# KiCad board rgbwstrip120_250_panel.kicad_pcb (continued)
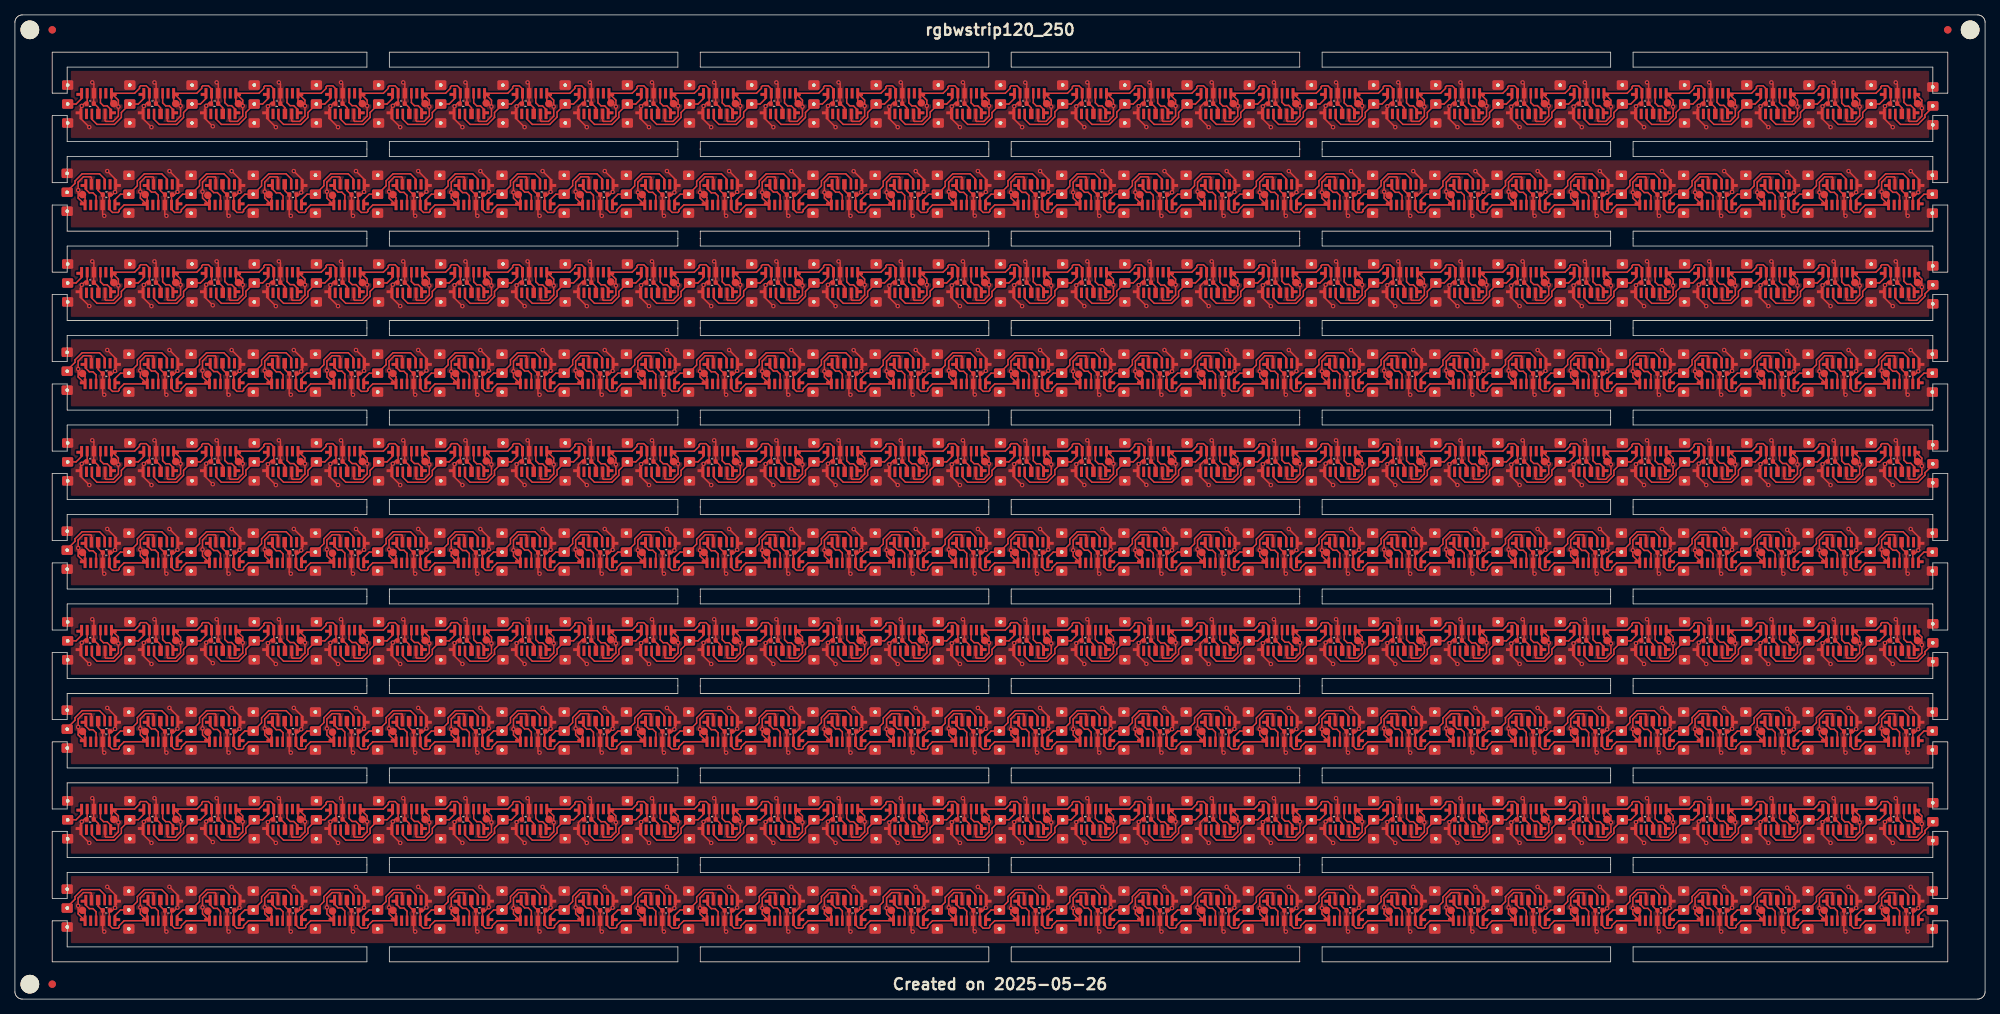
[diagram p0: board, top side]
## Routing (per net, layer and track width the routed paths; a pad name or vN(x,y) marks a point on that pad's centre or on a via; arc(x,y) is an arc through that point) (continued)
Board_7-Net-(J1-Pin_2): length 2.8
  Top w0.2: 256.84,35.95 255.81,35.95 255.07,35.21 U2#3.6
Board_7-Net-(J2-Pin_2): length 10.4
  Top w0.2: 248.5,35.95 247.47,35.95 246.73,35.21 U4#10.6 ; 253.69,37.28 253.69,38 253.01,38.68 250.67,38.68 249.74,37.75 249.74,37.09 J2#8.2
Board_7-Net-(J3-Pin_2): length 10.4
  Top w0.2: 240.17,35.95 239.14,35.95 238.4,35.21 U6#2.6 ; J3#8.2 241.4,37.09 241.4,37.75 242.34,38.68 244.67,38.68 245.35,38 245.35,37.28
Board_7-Net-(J4-Pin_2): length 10.4
  Top w0.2: J4#7.2 233.05,37.07 233.05,37.73 234,38.68 236.34,38.68 237.02,38 237.02,37.28 ; 231.84,35.95 230.81,35.95 230.07,35.21 U8#4.6
Board_7-Net-(J5-Pin_2): length 10.4
  Top w0.2: 223.5,35.95 222.47,35.95 221.73,35.21 U10#5.6 ; 228.69,37.28 228.69,38 228.01,38.68 225.67,38.68 224.74,37.75 224.74,37.09 J5#9.2
Board_7-Net-(J6-Pin_2): length 10.4
  Top w0.2: J6#2.2 216.4,37.09 216.4,37.75 217.34,38.68 219.67,38.68 220.35,38 220.35,37.28 ; U12#2.6 213.4,35.21 214.14,35.95 215.17,35.95
Board_7-Net-(J7-Pin_2): length 10.4
  Top w0.2: J7.2 208.07,37.09 208.07,37.75 209,38.68 211.34,38.68 212.02,38 212.02,37.28 ; 206.84,35.95 205.81,35.95 205.07,35.21 U14#4.6
Board_7-Net-(J8-Pin_2): length 10.4
  Top w0.2: J8#7.2 199.74,37.09 199.74,37.58 199.73,37.74 199.74,37.74 199.74,37.75 200.67,38.68 203.01,38.68 203.69,38 203.69,37.28 ; 198.5,35.95 197.47,35.95 196.73,35.21 U16#7.6
Board_7-Net-(J9-Pin_2): length 10.4
  Top w0.2: 190.17,35.95 189.14,35.95 188.4,35.21 U18#2.6 ; J9#5.2 191.35,37.03 191.35,37.7 192.34,38.68 194.67,38.68 195.35,38 195.35,37.28
Board_7-Net-(J10-Pin_2): length 10.4
  Top w0.2: 187.02,37.28 187.02,38 186.34,38.68 184,38.68 183.07,37.75 183.07,37.09 J10#7.2 ; U20#8.6 180.07,35.21 180.81,35.95 181.84,35.95
Board_7-Net-(J11-Pin_2): length 10.4
  Top w0.2: 173.5,35.95 172.47,35.95 171.73,35.21 U22#8.6 ; J11#8.2 174.74,37.09 174.74,37.75 175.67,38.68 178.01,38.68 178.69,38 178.69,37.28
Board_7-Net-(J12-Pin_2): length 10.4
  Top w0.2: J12#10.2 166.35,37.03 166.35,37.7 167.34,38.68 169.67,38.68 170.35,38 170.35,37.28 ; U24#10.6 163.4,35.21 164.14,35.95 165.17,35.95
Board_7-Net-(J13-Pin_2): length 10.4
  Top w0.2: U26#8.6 155.07,35.21 155.81,35.95 156.84,35.95 ; 162.02,37.28 162.02,38 161.34,38.68 159,38.68 158.07,37.75 158.07,37.09 J13#3.2
Board_7-Net-(J14-Pin_2): length 10.4
  Top w0.2: 148.5,35.95 147.47,35.95 146.73,35.21 U28#6.6 ; J14#3.2 149.74,37.09 149.74,37.75 150.67,38.68 150.67,38.68 153.01,38.68 153.69,38 153.69,37.28
Board_7-Net-(J15-Pin_2): length 10.4
  Top w0.2: 140.17,35.95 139.14,35.95 138.4,35.21 U30.6 ; 145.35,37.28 145.35,38 144.67,38.68 142.34,38.68 141.35,37.7 141.35,37.03 J15#7.2
Board_7-Net-(J16-Pin_2): length 10.4
  Top w0.2: U32#8.6 130.07,35.21 130.81,35.95 131.84,35.95 ; J16#6.2 133.07,37.09 133.07,37.75 134,38.68 136.34,38.68 137.02,38 137.02,37.28
Board_7-Net-(J17-Pin_2): length 10.4
  Top w0.2: 128.69,37.28 128.69,38 128.01,38.68 125.67,38.68 124.65,37.67 124.65,37 J17#7.2 ; 123.5,35.95 122.47,35.95 121.73,35.21 U34#8.6
Board_7-Net-(J18-Pin_2): length 10.4
  Top w0.2: J18#8.2 116.35,37.03 116.35,37.7 117.34,38.68 119.67,38.68 120.35,38 120.35,37.28 ; 115.17,35.95 114.14,35.95 113.4,35.21 U36#7.6
Board_7-Net-(J19-Pin_2): length 10.4
  Top w0.2: 106.84,35.95 105.81,35.95 105.07,35.21 U38#5.6 ; 112.02,37.28 112.02,38 111.34,38.68 109,38.68 108.07,37.75 108.07,37.09 J19#6.2
Board_7-Net-(J20-Pin_2): length 10.4
  Top w0.2: J20#10.2 99.74,37.09 99.74,37.75 100.67,38.68 103.01,38.68 103.69,38 103.69,37.28 ; U40#4.6 96.73,35.21 97.47,35.95 98.5,35.95
Board_7-Net-(J21-Pin_2): length 10.4
  Top w0.2: 95.35,37.28 95.35,38 94.67,38.68 92.34,38.68 91.35,37.7 91.35,37.03 J21#9.2 ; 90.17,35.95 89.14,35.95 88.4,35.21 U42#5.6
Board_7-Net-(J22-Pin_2): length 10.4
  Top w0.2: J22#6.2 83.05,37.07 83.05,37.73 84,38.68 86.34,38.68 87.02,38 87.02,37.28 ; 81.84,35.95 80.81,35.95 80.07,35.21 U44#8.6
Board_7-Net-(J23-Pin_2): length 10.4
  Top w0.2: U46#10.6 71.73,35.21 72.47,35.95 73.5,35.95 ; 78.69,37.28 78.69,38 78.01,38.68 75.67,38.68 74.74,37.75 74.74,37.09 J23#4.2
Board_7-Net-(J24-Pin_2): length 10.4
  Top w0.2: J24#5.2 66.4,37.09 66.4,37.75 67.34,38.68 69.67,38.68 70.35,38 70.35,37.28 ; 65.17,35.95 64.14,35.95 63.4,35.21 U48#4.6
Board_7-Net-(J25-Pin_2): length 10.4
  Top w0.2: J25#8.2 58.05,37.07 58.05,37.73 59,38.68 61.34,38.68 62.02,38 62.02,37.28 ; 56.84,35.95 55.81,35.95 55.07,35.21 U50#6.6
Board_7-Net-(J26-Pin_2): length 10.4
  Top w0.2: J26.2 49.74,37.09 49.74,37.75 50.67,38.68 53.01,38.68 53.69,38 53.69,37.28 ; 48.5,35.95 47.47,35.95 46.73,35.21 U52.6
Board_7-Net-(J27-Pin_2): length 10.4
  Top w0.2: J27#3.2 41.4,37.09 41.4,37.75 42.34,38.68 44.67,38.68 45.35,38 45.35,37.28 ; 40.17,35.95 39.14,35.95 38.4,35.21 U54#3.6
Board_7-Net-(J28-Pin_2): length 10.4
  Top w0.2: 37.02,37.28 37.02,38 36.34,38.68 34,38.68 33.05,37.73 33.05,37.07 J28#10.2 ; 31.84,35.95 30.81,35.95 30.07,35.21 U56#7.6
Board_7-Net-(J29-Pin_2): length 10.4
  Top w0.2: 28.69,37.28 28.69,38 28.01,38.68 25.67,38.68 24.74,37.75 24.74,37.09 J29#2.2 ; 23.5,35.95 22.47,35.95 21.73,35.21 U58.6
Board_7-Net-(J30-Pin_2): length 10.4
  Top w0.2: 20.35,37.28 20.35,38 19.67,38.68 17.34,38.68 16.4,37.75 16.4,37.09 J30#5.2 ; U60#7.6 13.4,35.21 14.14,35.95 15.17,35.95
Board_7-Net-(J31-Pin_2): length 7.2
  Top w0.2: 12.02,37.28 12.02,38 11.34,38.68 9,38.68 8.05,37.73 8.05,37.4 7.4,36.75 7.4,36.21
Board_7-Net-(U1-DIN): length 3.5
  Top w0.2: 251.17,37.73 251.17,36.67 251.63,36.2 252.13,36.2 252.54,35.79 252.54,35.08
Board_7-Net-(U3-DIN): length 3.5
  Top w0.2: 244.21,35.08 244.21,35.79 243.8,36.2 243.3,36.2 242.83,36.67 242.83,37.73
Board_7-Net-(U5-DIN): length 3.5
  Top w0.2: 234.5,37.7 234.5,36.64 234.97,36.17 235.47,36.17 235.88,35.76 235.88,35.05
Board_7-Net-(U7-DIN): length 3.5
  Top w0.2: 227.54,35.05 227.54,35.76 227.13,36.17 226.63,36.17 226.17,36.64 226.17,37.7
Board_7-Net-(U10-DOUT): length 3.5
  Top w0.2: 217.85,37.7 217.85,36.64 218.32,36.17 218.82,36.17 219.22,35.76 219.22,35.05
Board_7-Net-(U11-DIN): length 3.5
  Top w0.2: 210.88,35.05 210.88,35.76 210.47,36.17 209.97,36.17 209.5,36.64 209.5,37.7
Board_7-Net-(U13-DIN): length 3.5
  Top w0.2: 201.15,37.73 201.15,36.67 201.62,36.2 202.12,36.2 202.53,35.79 202.53,35.08
Board_7-Net-(U15-DIN): length 3.5
  Top w0.2: 194.21,35.08 194.21,35.79 193.8,36.2 193.3,36.2 192.83,36.67 192.83,37.73
Board_7-Net-(U17-DIN): length 3.5
  Top w0.2: 184.5,37.73 184.5,36.67 184.97,36.2 185.47,36.2 185.88,35.79 185.88,35.08
Board_7-Net-(U19-DIN): length 3.5
  Top w0.2: 177.54,35.08 177.54,35.79 177.13,36.2 176.63,36.2 176.17,36.67 176.17,37.73
Board_7-Net-(U21-DIN): length 3.5
  Top w0.2: 167.85,37.73 167.85,36.67 168.32,36.2 168.82,36.2 169.22,35.79 169.22,35.08
Board_7-Net-(U23-DIN): length 3.5
  Top w0.2: 159.5,37.73 159.5,36.67 159.97,36.2 160.47,36.2 160.88,35.79 160.88,35.08
Board_7-Net-(U25-DIN): length 3.5
  Top w0.2: 152.54,35.08 152.54,35.79 152.13,36.2 151.63,36.2 151.17,36.67 151.17,37.73
Board_7-Net-(U27-DIN): length 3.5
  Top w0.2: 142.85,37.73 142.85,36.67 143.32,36.2 143.82,36.2 144.22,35.79 144.22,35.08
Board_7-Net-(U29-DIN): length 3.5
  Top w0.2: 135.88,35.08 135.88,35.79 135.47,36.2 134.97,36.2 134.5,36.67 134.5,37.73
Board_7-Net-(U31-DIN): length 3.5
  Top w0.2: 126.17,37.73 126.17,36.67 126.63,36.2 127.13,36.2 127.54,35.79 127.54,35.08
Board_7-Net-(U33-DIN): length 3.5
  Top w0.2: 119.22,35.08 119.22,35.79 118.82,36.2 118.32,36.2 117.85,36.67 117.85,37.73
Board_7-Net-(U35-DIN): length 3.5
  Top w0.2: 110.88,35.11 110.88,35.82 110.47,36.23 109.97,36.23 109.5,36.7 109.5,37.76
Board_7-Net-(U37-DIN): length 3.5
  Top w0.2: 102.54,35.11 102.54,35.82 102.13,36.23 101.63,36.23 101.17,36.7 101.17,37.76
Board_7-Net-(U39-DIN): length 3.5
  Top w0.2: 92.85,37.66 92.85,36.6 93.32,36.13 93.82,36.13 94.22,35.72 94.22,35.01
Board_7-Net-(U41-DIN): length 3.5
  Top w0.2: 84.5,37.73 84.5,36.67 84.97,36.2 85.47,36.2 85.88,35.79 85.88,35.08
Board_7-Net-(U43-DIN): length 3.5
  Top w0.2: 77.53,35.08 77.53,35.79 77.12,36.2 76.62,36.2 76.15,36.67 76.15,37.73
Board_7-Net-(U45-DIN): length 3.5
  Top w0.2: 67.83,37.76 67.83,36.7 68.3,36.23 68.8,36.23 69.21,35.82 69.21,35.11
Board_7-Net-(U47-DIN): length 3.5
  Top w0.2: 59.52,37.69 59.52,36.63 59.98,36.17 60.48,36.17 60.89,35.76 60.89,35.04
Board_7-Net-(U49-DIN): length 3.5
  Top w0.2: 51.17,37.73 51.17,36.67 51.63,36.2 52.13,36.2 52.54,35.79 52.54,35.08
Board_7-Net-(U51-DIN): length 3.5
  Top w0.2: 44.21,35.11 44.21,35.82 43.8,36.23 43.3,36.23 42.83,36.7 42.83,37.76
Board_7-Net-(U53-DIN): length 3.5
  Top w0.2: 34.55,37.66 34.55,36.6 35.02,36.13 35.52,36.13 35.92,35.72 35.92,35.01
Board_7-Net-(U55-DIN): length 3.5
  Top w0.2: 27.54,35.04 27.54,35.76 27.13,36.17 26.63,36.17 26.17,36.63 26.17,37.69
Board_7-Net-(U57-DIN): length 3.5
  Top w0.2: 19.21,35.11 19.21,35.82 18.8,36.23 18.3,36.23 17.83,36.7 17.83,37.76
Board_7-Net-(U59-DIN): length 3.5
  Top w0.2: 10.88,35.01 10.88,35.72 10.47,36.13 9.97,36.13 9.5,36.6 9.5,37.66
Board_8-+3.3V: length 592.6
  Top w0.2: U38#6.1 163.86,24.56 v1(163.86,23.8) 163.86,22.42 163.16,21.72 162.19,21.72 162.08,21.82 U37#10.5 ; U38#6.1 166.04,25.49 166.7,26.15 166.7,26.35 166.85,26.5 167.59,26.5 168.02,26.07 U40#6.5 168.02,24.25 167.94,24.17 167.66,24.17 v1(167.22,23.73) 167.17,23.68 167.17,22.84 ; U38#6.1 162.93,24.42 K5#9.1 ; U25.5 112.08,21.82 112.19,21.72 113.16,21.72 113.86,22.42 v1(113.86,23.8) 113.86,24.56 U26#2.1 ; U48.1 205.53,24.56 v1(205.53,23.8) 205.53,22.42 204.83,21.72 203.86,21.72 203.75,21.82 U47#8.5 ; U48.1 207.71,25.49 208.36,26.15 208.36,26.35 208.51,26.5 209.26,26.5 209.68,26.07 U50#10.5 209.68,24.25 209.6,24.17 209.32,24.17 v1(208.85,23.7) 208.83,23.68 208.83,22.84 ; U48.1 204.6,24.45 K28#4.1 ; K16#8.1 46.27,24.38 U10#2.1 ; U58#9.1 249.37,25.49 250.03,26.15 250.03,26.35 250.18,26.5 250.93,26.5 251.35,26.07 U60.5 251.35,24.25 251.27,24.17 250.99,24.17 v1(250.59,23.76) 250.5,23.68 250.5,22.84 ; U58#9.1 246.27,24.38 K25#7.1 ; U58#9.1 247.2,24.56 v1(247.2,23.7) 247.2,22.42 246.49,21.72 245.52,21.72 245.42,21.82 U57#5.5 ; U20#3.1 91.04,25.49 91.7,26.15 91.7,26.35 91.85,26.5 92.59,26.5 93.02,26.07 U22#9.5 93.02,24.25 92.94,24.17 92.66,24.17 v1(92.27,23.78) 92.17,23.68 92.17,22.84 ; U20#3.1 87.93,24.42 K12#8.1 ; U20#3.1 88.86,24.56 v1(88.86,23.8) 88.86,22.42 88.16,21.72 87.19,21.72 87.08,21.82 U19#10.5 ; U6#8.1 29.6,24.45 K26#7.1 ; U6#8.1 32.71,25.49 33.36,26.15 33.36,26.35 33.51,26.5 34.26,26.5 34.68,26.07 U8#7.5 34.68,24.25 34.6,24.17 34.32,24.17 v1(33.9,23.75) 33.83,23.68 33.83,22.84 ; U6#8.1 30.53,24.56 v1(30.53,23.8) 30.53,22.42 29.83,21.72 28.86,21.72 28.75,21.82 U5#4.5 ; 113.08,25.43 113.02,25.49 ; 83.83,22.84 83.83,23.68 v1(83.9,23.75) 84.32,24.17 84.6,24.17 84.68,24.25 U20#3.5 84.68,26.07 84.26,26.5 83.51,26.5 83.36,26.35 83.36,26.15 82.71,25.49 U18#6.1 ; K18.1 129.6,24.45 U30#2.1 ; U52#4.1 221.27,24.38 K19#5.1 ; U52#4.1 224.37,25.49 225.03,26.15 225.03,26.35 225.18,26.5 225.93,26.5 226.35,26.07 U54#9.5 226.35,24.25 226.27,24.17 225.99,24.17 v1(225.64,23.81) 225.5,23.68 225.5,22.84 ; U52#4.1 222.2,24.56 v1(222.2,23.7) 222.2,22.42 221.49,21.72 220.52,21.72 220.42,21.82 U51#8.5 ; v1(68.3,20.95) 67.17,22.08 U15#4.1 ; v1(176.63,20.95) 175.5,22.08 U41#9.1 ; K15#9.1 212.93,24.52 U50#10.1 ; K9#7.1 171.27,24.48 U40#6.1 ; U3#7.5 20.42,21.82 20.52,21.72 21.49,21.72 22.2,22.42 v1(22.2,23.8) 22.2,24.56 U4.1 ; K13#6.1 121.27,24.38 U28#5.1 ; K21#2.1 37.93,24.42 U8#7.1 ; 38.08,25.43 38.02,25.49 ; 213.08,25.43 213.02,25.49 ; v1(126.63,20.95) 125.5,22.08 U29#6.1 ; U40#6.1 174.37,25.49 175.03,26.15 175.03,26.35 175.18,26.5 175.93,26.5 176.35,26.07 U42#8.5 176.35,24.25 176.27,24.17 175.99,24.17 v1(175.64,23.81) 175.5,23.68 175.5,22.84 ; U40#6.1 172.2,24.56 v1(172.2,23.8) 172.2,22.42 171.49,21.72 170.52,21.72 170.42,21.82 U39#2.5 ; K1#2.1 12.93,24.42 U2#6.1 ; K6#3.1 21.27,24.38 U4.1 ; v1(34.96,20.95) 33.83,22.08 U7#6.1 ; U50#10.1 213.86,24.56 v1(213.86,23.7) 213.86,22.42 213.16,21.72 212.19,21.72 212.08,21.82 U49#6.5 ; U50#10.1 216.04,25.49 216.7,26.15 216.7,26.35 216.85,26.5 217.59,26.5 218.02,26.07 U52#4.5 218.02,24.25 217.94,24.17 217.66,24.17 v1(217.22,23.73) 217.17,23.68 217.17,22.84 ; U39#2.1 167.17,22.08 v1(168.3,20.95) ; U18#6.1 79.6,24.45 K7.1 80.03,24.2 v1(80.53,23.7) ; U18#6.1 80.53,24.56 v1(80.53,23.7) ; 46.41,25.43 46.35,25.49 ; U27#6.5 120.42,21.82 120.52,21.72 121.49,21.72 122.2,22.42 v1(122.2,23.8) 122.2,24.56 U28#5.1 ; U42#8.1 180.53,24.56 v1(180.53,23.8) 180.53,22.42 179.83,21.72 178.86,21.72 178.75,21.82 U41#9.5 ; U42#8.1 182.71,25.49 183.36,26.15 183.36,26.35 183.51,26.5 184.26,26.5 184.68,26.07 U44#6.5 184.68,24.25 184.6,24.17 184.32,24.17 v1(183.9,23.75) 183.83,23.68 183.83,22.84 ; U42#8.1 179.6,24.45 K10#7.1 ; v1(193.3,20.95) 192.17,22.08 U45#3.1 ; U23#5.5 103.75,21.82 103.86,21.72 104.83,21.72 105.53,22.42 v1(105.53,23.7) 105.53,24.56 U24#3.1 ; v1(101.63,20.95) 100.5,22.08 U23#5.1 ; U44#6.1 188.86,24.56 v1(188.86,23.7) 188.86,22.42 188.16,21.72 187.19,21.72 187.08,21.82 U43#10.5 ; U44#6.1 191.04,25.49 191.7,26.15 191.7,26.35 191.85,26.5 192.59,26.5 193.02,26.07 U46#6.5 193.02,24.25 192.94,24.17 192.66,24.17 v1(192.22,23.73) 192.17,23.68 192.17,22.84 ; U44#6.1 187.93,24.42 K14#3.1 ; 238.08,25.43 238.02,25.49 ; U35#7.1 150.5,22.08 v1(151.61,20.96) 151.63,20.95 ; U24#3.1 104.6,24.45 K17#2.1 ; U24#3.1 107.71,25.49 108.36,26.15 108.36,26.35 108.51,26.5 109.26,26.5 109.68,26.07 U26#2.5 109.68,24.25 109.6,24.17 109.32,24.17 v1(108.95,23.8) 108.83,23.68 108.83,22.84 ; 150.5,22.84 150.5,23.68 v1(150.59,23.76) 150.99,24.17 151.27,24.17 151.35,24.25 U36#3.5 151.35,26.07 150.93,26.5 150.18,26.5 150.03,26.35 150.03,26.15 149.37,25.49 U34#7.1 ; 242.17,22.84 242.17,23.68 v1(242.22,23.73) 242.66,24.17 242.94,24.17 243.02,24.25 U58#9.5 243.02,26.07 242.59,26.5 241.85,26.5 241.7,26.35 241.7,26.15 241.04,25.49 U56#6.1 ; 171.41,25.43 171.35,25.49 ; U28#5.1 124.37,25.49 125.03,26.15 125.03,26.35 125.18,26.5 125.93,26.5 126.35,26.07 U30#2.5 126.35,24.25 126.27,24.17 125.99,24.17 v1(125.54,23.71) 125.5,23.68 125.5,22.84 ; K2#3.1 71.27,24.38 U16#6.1 ; v1(76.63,20.95) 75.5,22.08 U17#5.1 ; v1(63.85,23.7) 63.86,22.42 63.16,21.72 62.19,21.72 62.08,21.82 U13#9.5 ; v1(63.85,23.7) 63.38,24.17 K27#3.1 62.93,24.38 U14#9.1 ; v1(63.85,23.7) 63.86,24.56 U14#9.1 ; v1(51.63,20.95) 50.5,22.08 U11#3.1 ; U15#4.5 70.42,21.82 70.52,21.72 71.49,21.72 72.2,22.42 v1(72.2,23.7) 72.2,24.56 U16#6.1 ; U31.5 137.08,21.82 137.19,21.72 138.16,21.72 138.86,22.42 v1(138.86,23.7) 138.86,24.56 U32#3.1 ; U36#3.1 155.53,24.56 v1(155.53,23.8) 155.53,22.42 154.83,21.72 153.86,21.72 153.75,21.82 U35#7.5 ; U36#3.1 157.71,25.49 158.36,26.15 158.36,26.35 158.51,26.5 159.26,26.5 159.68,26.07 U38#6.5 159.68,24.25 159.6,24.17 159.32,24.17 158.83,23.68 158.83,22.84 ; U36#3.1 154.6,24.45 K30#10.1 ; 179.74,25.43 179.68,25.49 ; U19#10.1 83.83,22.08 v1(84.96,20.95) ; K3#7.1 112.93,24.42 U26#2.1 ; U30#2.1 132.71,25.49 133.36,26.15 133.36,26.35 133.51,26.5 134.26,26.5 134.68,26.07 U32#3.5 134.68,24.25 134.6,24.17 134.32,24.17 v1(133.9,23.75) 133.83,23.68 133.83,22.84 ; U30#2.1 130.53,24.56 v1(130.53,23.8) 130.53,22.42 129.83,21.72 128.86,21.72 128.75,21.82 U29#6.5 ; U12#9.1 54.6,24.45 K11.1 ; U12#9.1 57.71,25.49 58.36,26.15 58.36,26.35 58.51,26.5 59.26,26.5 59.68,26.07 U14#9.5 59.68,24.25 59.6,24.17 59.32,24.17 v1(58.9,23.75) 58.83,23.68 58.83,22.84 ; U12#9.1 55.53,24.56 v1(55.53,23.7) 55.53,22.42 54.83,21.72 53.86,21.72 53.75,21.82 U11#3.5 ; U3#7.1 17.17,22.08 v1(18.3,20.95) ; v1(93.3,20.95) 92.17,22.08 U21#8.1 ; U51#8.1 217.17,22.08 v1(218.3,20.95) ; U17#5.5 78.75,21.82 78.86,21.72 79.83,21.72 80.53,22.42 v1(80.53,23.7) ; 96.41,25.43 96.35,25.49 ; U2#6.1 13.86,24.56 v1(13.86,23.7) 13.86,22.42 13.16,21.72 12.19,21.72 12.08,21.82 U1#10.5 ; U2#6.1 13.25,25.18 ; U2#6.1 16.04,25.49 16.7,26.15 16.7,26.35 16.85,26.5 17.59,26.5 18.02,26.07 U4.5 18.02,24.25 17.94,24.17 17.66,24.17 v1(17.27,23.78) 17.17,23.68 17.17,22.84 ; 67.17,22.84 67.17,23.68 v1(67.22,23.73) 67.66,24.17 67.94,24.17 68.02,24.25 U16#6.5 68.02,26.07 67.59,26.5 66.85,26.5 66.7,26.35 66.7,26.15 66.04,25.49 U14#9.1 ; 196.41,25.43 196.35,25.49 ; U26#2.1 116.04,25.49 116.7,26.15 116.7,26.35 116.85,26.5 117.59,26.5 118.02,26.07 U28#5.5 118.02,24.25 117.94,24.17 117.66,24.17 v1(117.17,23.68) 117.17,23.68 117.17,22.84 ; U22#9.1 99.37,25.49 100.03,26.15 100.03,26.35 100.18,26.5 100.93,26.5 101.35,26.07 U24#3.5 101.35,24.25 101.27,24.17 100.99,24.17 v1(100.59,23.76) 100.5,23.68 100.5,22.84 ; U22#9.1 96.27,24.38 K22.1 ; U22#9.1 97.2,24.56 v1(97.2,23.8) 97.2,22.42 96.49,21.72 95.52,21.72 95.42,21.82 U21#8.5 ; v1(59.96,20.95) 58.83,22.08 U13#9.1 ; U4.1 24.37,25.49 25.03,26.15 25.03,26.35 25.18,26.5 25.93,26.5 26.35,26.07 U6#8.5 26.35,24.25 26.27,24.17 25.99,24.17 v1(25.64,23.81) 25.5,23.68 25.5,22.84 ; U4.1 21.55,25.21 ; U53#8.1 225.5,22.08 v1(226.63,20.95) ; 54.74,25.43 54.68,25.49 ; U32#3.1 137.93,24.42 K8#7.1 ; U32#3.1 141.04,25.49 141.7,26.15 141.7,26.35 141.85,26.5 142.59,26.5 143.02,26.07 U34#7.5 143.02,24.25 142.94,24.17 142.66,24.17 v1(142.22,23.73) 142.17,23.68 142.17,22.84 ; 129.74,25.43 129.68,25.49 ; U8#7.1 41.04,25.49 41.7,26.15 41.7,26.35 41.85,26.5 42.59,26.5 43.02,26.07 U10#2.5 43.02,24.25 42.94,24.17 42.66,24.17 v1(42.27,23.78) 42.17,23.68 42.17,22.84 ; U8#7.1 38.25,25.17 ; U8#7.1 38.86,24.56 v1(38.86,23.8) 38.86,22.42 38.16,21.72 37.19,21.72 37.08,21.82 U7#6.5 ; U56#6.1 238.86,24.56 v1(238.86,23.7) 238.86,22.42 238.16,21.72 237.19,21.72 237.08,21.82 U55#9.5 ; U56#6.1 237.93,24.42 K20#5.1 ; U47#8.1 200.5,22.08 v1(201.63,20.95) ; U16#6.1 74.37,25.49 75.03,26.15 75.03,26.35 75.18,26.5 75.93,26.5 76.35,26.07 U18#6.5 76.35,24.25 76.27,24.17 75.99,24.17 75.5,23.68 75.5,22.84 ; K4#9.1 146.27,24.38 U34#7.1 ; U54#9.1 232.71,25.49 233.36,26.15 233.36,26.35 233.51,26.5 234.26,26.5 234.68,26.07 U56#6.5 234.68,24.25 234.6,24.17 234.32,24.17 v1(233.9,23.75) 233.83,23.68 233.83,22.84 ; U54#9.1 229.6,24.45 K24#2.1 ; U54#9.1 230.53,24.56 v1(230.53,23.7) 230.53,22.42 229.83,21.72 228.86,21.72 228.75,21.82 U53#8.5 ; U10#2.1 49.37,25.49 50.03,26.15 50.03,26.35 50.18,26.5 50.93,26.5 51.35,26.07 U12#9.5 51.35,24.25 51.27,24.17 50.99,24.17 v1(50.64,23.81) 50.5,23.68 50.5,22.84 ; U10#2.1 47.2,24.56 v1(47.2,23.8) 47.2,22.42 46.49,21.72 45.52,21.72 45.42,21.82 U9#5.5 ; U5#4.1 25.5,22.08 v1(26.51,21.06) 26.63,20.95 ; K29#10.1 254.6,24.45 U60.1 255.53,24.56 v1(255.53,23.5) 255.53,22.42 254.83,21.72 253.86,21.72 253.75,21.82 U59.5 ; 229.74,25.43 229.68,25.49 ; U34#7.1 147.2,24.56 v1(147.2,23.8) 147.2,22.42 146.49,21.72 145.52,21.72 145.42,21.82 U33#8.5 ; v1(159.96,20.95) 158.83,22.08 U37#10.1 ; U31.1 133.83,22.08 v1(134.96,20.95) ; 8.83,22.84 8.83,23.68 v1(8.95,23.8) 9.32,24.17 9.6,24.17 9.68,24.25 U2#6.5 9.68,26.07 ; 71.41,25.43 71.35,25.49 ; v1(251.63,20.95) 250.5,22.08 U59.1 ; 146.41,25.43 146.35,25.49 ; v1(184.96,20.95) 183.83,22.08 U43#10.1 ; 21.41,25.43 21.35,25.49 ; U9#5.1 42.17,22.08 v1(43.3,20.95) ; 29.74,25.43 29.68,25.49 ; 254.74,25.43 254.68,25.49 ; U55#9.1 233.83,22.08 v1(234.96,20.95) ; 163.08,25.43 163.02,25.49 ; U33#8.1 142.17,22.08 v1(143.3,20.95) ; 138.08,25.43 138.02,25.49 ; v1(118.3,20.95) 117.17,22.08 U27#6.1 ; K23#6.1 196.27,24.38 U46#6.1 ; 154.74,25.43 154.68,25.49 ; U1#10.1 8.83,22.08 v1(9.96,20.95) ; U45#3.5 195.42,21.82 195.52,21.72 196.49,21.72 197.2,22.42 v1(197.2,23.8) 197.2,24.56 U46#6.1 ; v1(109.96,20.95) 108.83,22.08 U25.1 ; 188.08,25.43 188.02,25.49 ; 88.08,25.43 88.02,25.49 ; 121.41,25.43 121.35,25.49 ; v1(209.96,20.95) 208.83,22.08 U49#6.1 ; v1(243.3,20.95) 242.17,22.08 U57#5.1 ; 204.74,25.43 204.68,25.49 ; 63.08,25.43 63.02,25.49 ; 246.41,25.43 246.35,25.49 ; U46#6.1 199.37,25.49 200.03,26.15 200.03,26.35 200.18,26.5 200.93,26.5 201.35,26.07 U48.5 201.35,24.25 201.27,24.17 200.99,24.17 v1(200.5,23.68) 200.5,22.84 ; 13.08,25.43 13.02,25.49 ; 104.74,25.43 104.68,25.49 ; 221.41,25.43 221.35,25.49 ; 79.74,25.43 79.68,25.49
Board_8-GND: length 133.9
  Top w0.2: 243.7,26.95 v1(243.7,26.95) 243.92,26.73 U58#9.4 243.9,25.47 243.9,24.17 244.52,23.55 244.52,22.84 ; v1(93.7,26.95) 93.92,26.73 U22#9.4 93.9,25.47 93.9,24.17 94.52,23.55 94.52,22.84 ; v1(102.03,26.95) 102.25,26.73 U24#3.4 102.23,25.47 102.23,24.17 102.85,23.55 102.85,22.84 ; v1(168.7,26.95) 168.92,26.73 U40#6.4 168.9,25.47 168.9,24.17 169.52,23.55 169.52,22.84 ; v1(210.36,26.95) 210.58,26.73 U50#10.4 210.56,25.47 210.56,24.17 211.18,23.55 211.18,22.84 ; v1(143.7,26.95) 143.92,26.73 U34#7.4 143.9,25.47 143.9,24.17 144.52,23.55 144.52,22.84 ; 252.85,22.84 252.85,23.55 252.23,24.17 252.23,25.47 U60.4 252.25,26.73 v1(252.03,26.95) ; v1(77.03,26.95) 77.25,26.73 U18#6.4 77.23,25.47 77.23,24.17 77.85,23.55 77.85,22.84 ; v1(60.36,26.95) 60.58,26.73 U14#9.4 60.56,25.47 60.56,24.17 61.18,23.55 61.18,22.84 ; v1(127.03,26.95) 127.25,26.73 U30#2.4 127.23,25.47 127.23,24.17 127.85,23.55 127.85,22.84 ; v1(227.03,26.95) 227.25,26.73 U54#9.4 227.23,25.47 227.23,24.17 227.85,23.55 227.85,22.84 ; 219.52,22.84 219.52,23.55 218.9,24.17 218.9,25.47 U52#4.4 218.92,26.73 v1(218.7,26.95) ; v1(35.36,26.95) 35.58,26.73 U8#7.4 35.56,25.47 35.56,24.17 36.18,23.55 36.18,22.84 ; 111.18,22.84 111.18,23.55 110.56,24.17 110.56,25.47 U26#2.4 110.58,26.73 v1(110.36,26.95) ; v1(202.03,26.95) 202.25,26.73 U48.4 202.23,25.47 202.23,24.17 202.85,23.55 202.85,22.84 ; v1(185.36,26.95) 185.58,26.73 U44#6.4 185.56,25.47 185.56,24.17 186.18,23.55 186.18,22.84 ; 136.18,22.84 136.18,23.55 135.56,24.17 135.56,25.47 U32#3.4 135.58,26.73 v1(135.38,26.93) 135.36,26.95 ; v1(10.36,26.95) 10.58,26.73 U2#6.4 10.56,25.47 10.56,24.17 11.18,23.55 11.18,22.84 ; v1(152.03,26.95) 152.25,26.73 U36#3.4 152.23,25.47 152.23,24.17 152.85,23.55 152.85,22.84 ; 236.18,22.84 236.18,23.55 235.56,24.17 235.56,25.47 U56#6.4 235.58,26.73 v1(235.36,26.95) ; v1(18.7,26.95) 18.92,26.73 U4.4 18.9,25.47 18.9,24.17 19.52,23.55 19.52,22.84 ; v1(118.7,26.95) 118.92,26.73 U28#5.4 118.9,25.47 118.9,24.17 119.52,23.55 119.52,22.84 ; v1(52.03,26.95) 52.25,26.73 U12#9.4 52.23,25.47 52.23,24.17 52.85,23.55 52.85,22.84 ; 86.18,22.84 86.18,23.55 85.56,24.17 85.56,25.47 U20#3.4 85.58,26.73 v1(85.36,26.95) ; v1(177.03,26.95) 177.25,26.73 U42#8.4 177.23,25.47 177.23,24.17 177.85,23.55 177.85,22.84 ; v1(27.03,26.95) 27.25,26.73 U6#8.4 27.23,25.47 27.23,24.17 27.85,23.55 27.85,22.84 ; v1(68.7,26.95) 68.92,26.73 U16#6.4 68.9,25.47 68.9,24.17 69.52,23.55 69.52,22.84 ; 44.52,22.84 44.52,23.55 43.9,24.17 43.9,25.47 U10#2.4 43.92,26.73 v1(43.7,26.95) ; v1(160.36,26.95) 160.58,26.73 U38#6.4 160.56,25.47 160.56,24.17 161.18,23.55 161.18,22.84 ; v1(193.7,26.95) 193.92,26.73 U46#6.4 193.9,25.47 193.9,24.17 194.52,23.55 194.52,22.84
Board_8-Net-(J1-Pin_2): length 2.8
  Top w0.2: U2#6.6 8.93,24.79 8.19,24.05 7.16,24.05
Board_8-Net-(J2-Pin_2): length 10.4
  Top w0.2: U4.6 17.27,24.79 16.53,24.05 15.5,24.05 ; J2#3.2 14.26,22.91 14.26,22.25 13.33,21.32 10.99,21.32 10.31,22 10.31,22.72
Board_8-Net-(J3-Pin_2): length 10.4
  Top w0.2: U6#8.6 25.6,24.79 24.86,24.05 23.83,24.05 ; J3#7.2 22.6,22.91 22.6,22.25 21.66,21.32 19.33,21.32 18.65,22 18.65,22.72
Board_8-Net-(J4-Pin_2): length 10.4
  Top w0.2: 32.16,24.05 33.19,24.05 33.93,24.79 U8#7.6 ; 26.98,22.72 26.98,22 27.66,21.32 30,21.32 30.95,22.27 30.95,22.93 J4#8.2
Board_8-Net-(J5-Pin_2): length 10.4
  Top w0.2: U10#2.6 42.27,24.79 41.53,24.05 40.5,24.05 ; J5#4.2 39.26,22.91 39.26,22.25 38.33,21.32 35.99,21.32 35.31,22 35.31,22.72
Board_8-Net-(J6-Pin_2): length 10.4
  Top w0.2: U12#9.6 50.6,24.79 49.86,24.05 48.83,24.05 ; 43.65,22.72 43.65,22 44.33,21.32 46.66,21.32 47.6,22.25 47.6,22.91 J6#3.2
Board_8-Net-(J7-Pin_2): length 10.4
  Top w0.2: U14#9.6 58.93,24.79 58.19,24.05 57.16,24.05 ; J7#9.2 55.93,22.91 55.93,22.25 55,21.32 52.66,21.32 51.98,22 51.98,22.72
Board_8-Net-(J8-Pin_2): length 10.4
  Top w0.2: 65.5,24.05 66.53,24.05 67.27,24.79 U16#6.6 ; J8#8.2 64.26,22.91 64.26,22.42 64.27,22.26 64.26,22.26 64.26,22.25 63.33,21.32 60.99,21.32 60.31,22 60.31,22.72
Board_8-Net-(J9-Pin_2): length 10.4
  Top w0.2: U18#6.6 75.6,24.79 74.86,24.05 73.83,24.05 ; 68.65,22.72 68.65,22 69.33,21.32 71.66,21.32 72.65,22.3 72.65,22.97 J9#7.2
Board_8-Net-(J10-Pin_2): length 10.4
  Top w0.2: J10#4.2 80.93,22.91 80.93,22.25 80,21.32 77.66,21.32 76.98,22 76.98,22.72 ; 82.16,24.05 83.19,24.05 83.93,24.79 U20#3.6
Board_8-Net-(J11-Pin_2): length 10.4
  Top w0.2: J11#5.2 89.26,22.91 89.26,22.25 88.33,21.32 85.99,21.32 85.31,22 85.31,22.72 ; 90.5,24.05 91.53,24.05 92.27,24.79 U22#9.6
Board_8-Net-(J12-Pin_2): length 10.4
  Top w0.2: 98.83,24.05 99.86,24.05 100.6,24.79 U24#3.6 ; J12#4.2 97.65,22.97 97.65,22.3 96.66,21.32 94.33,21.32 93.65,22 93.65,22.72
Board_8-Net-(J13-Pin_2): length 10.4
  Top w0.2: 107.16,24.05 108.19,24.05 108.93,24.79 U26#2.6 ; J13#8.2 105.93,22.91 105.93,22.25 105,21.32 102.66,21.32 101.98,22 101.98,22.72
